# Altium PCB spd150.PcbDoc (part 9 of 15) (continued)
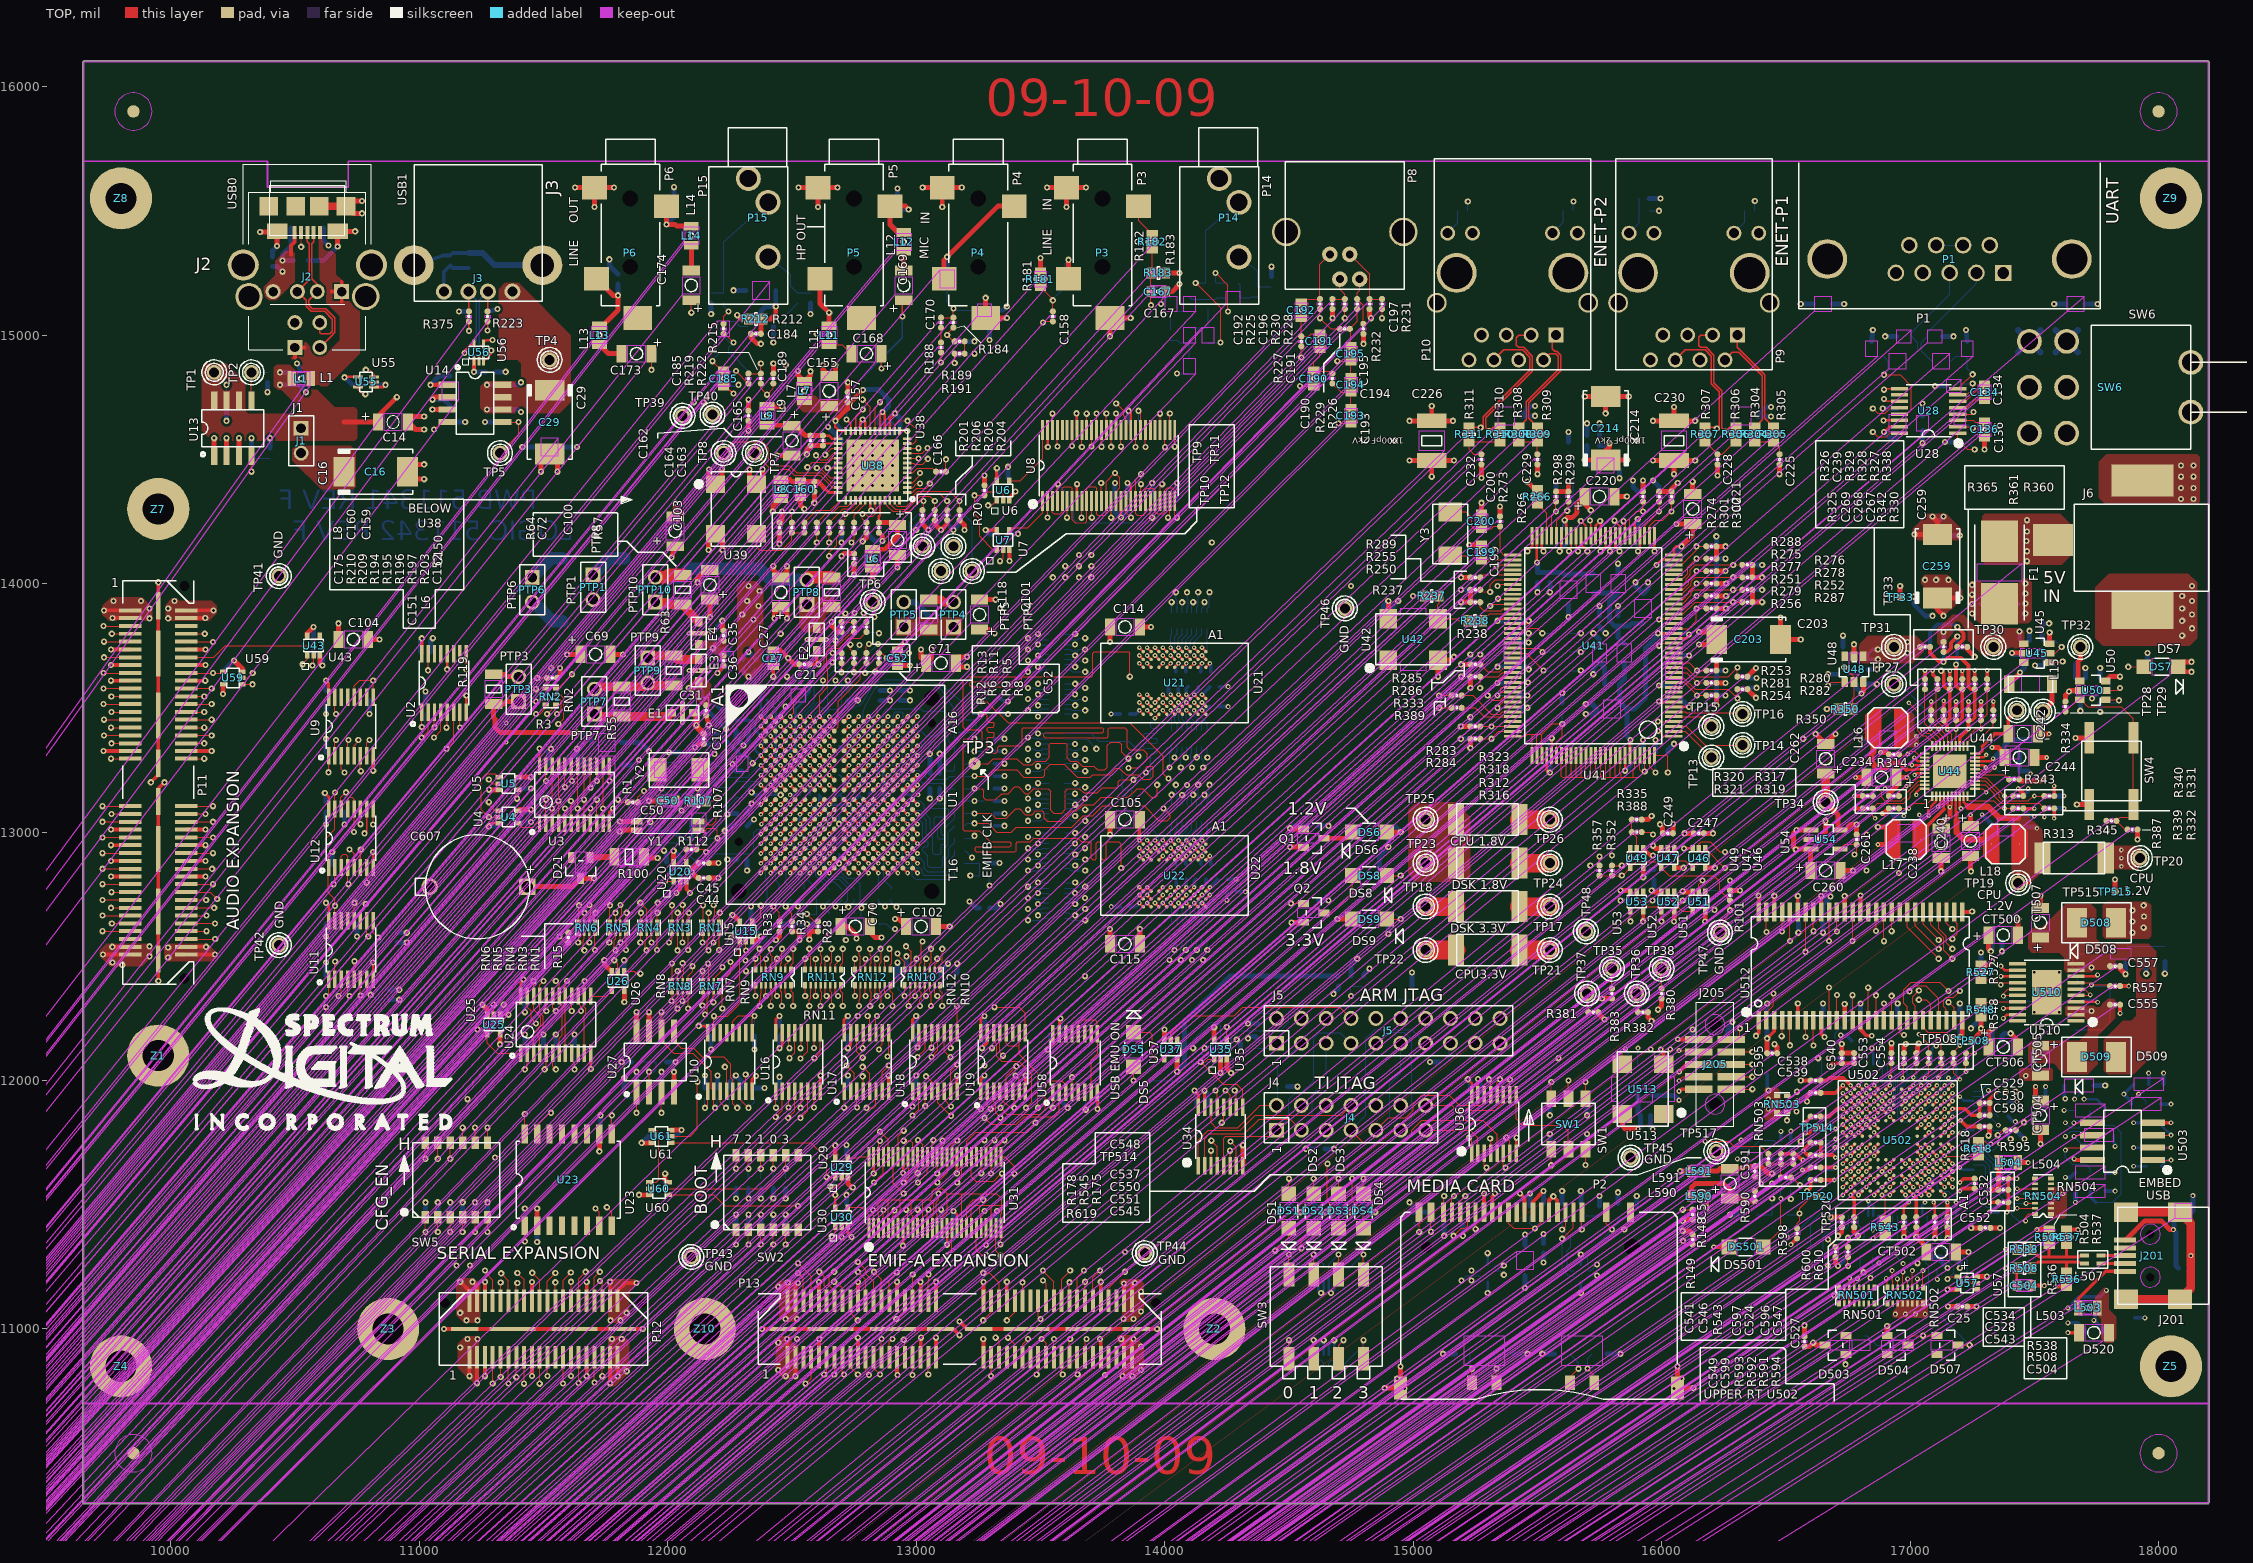
[diagram p0: TOP view]
## Nets (pads, with @x,y where several pads share a name; then routed paths per layer and width w, separated by ;. In a path a pad name is that pad's centre, name@x,y a point inside that pad or via, vN(x,y) a via of type N, cw(c..) or ccw(c..) an arc to the next point about the centre after c; other vN are vias at no path point) (continued)
  LYR4-SIG w5: v1(15195,11195) 15195,10825 15215,10805 15300.3,10805 v1(15335.3,10840)
  BOTTOM w5: v1(15195,11195) 15215,11215 U33.7@15273,11215 ; v1(15335.3,10840) 15345,10849.7 R162.2@15345,10900
MMC_SD_DATA7: P2.13 R163.2 U31.39 U33.6 | length 2892.4
  TOP w5: U31.39@13143.9,11693 13143.9,11737.9 v1(13165,11759) ; P2.13@15236.9,10783.7 v1(15236.9,10840)
  LYR3-SIG w5: v1(13165,11759) 13279,11645 13291.7,11645 13293,11646.3 13309.6,11646.3 13310.9,11645 13880,11645 14155,11370 14812.5,11370 14962.5,11220 15210,11220 v1(15235,11195)
  LYR4-SIG w5: v1(15235,11195) 15235,10841.9 v1(15236.9,10840)
  BOTTOM w5: R163.2@15230,10900 15230,10846.9 v1(15236.9,10840) ; v1(15235,11195) U33.6@15273,11195
MMC_SD_INS: P2.15 R167.1 U31.30 | length 2076.3
  TOP w5: U31.30@13321,11693 13321,11726.4 13335.1,11740.5 13335.5,11740.5 v1(13355,11760) ; v1(15071.6,11391.6) P2.15@15071.6,11470
  LYR3-SIG w5: v1(13355,11760) 13930,11760 14180,11510 14910,11510 14985,11435 15028.2,11435 v1(15071.6,11391.6)
  BOTTOM w5: R167.1@15050,11430 15071.6,11408.4 v1(15071.6,11391.6)
MMC_SD_WP: P2.14 R168.1 U31.32 | length 2071.8
  TOP w5: U31.32@13281.6,11693 13281.6,11726.6 v1(13315,11760) ; v1(15024.3,11390.7) P2.14@15024.3,11470
  LYR3-SIG w5: v1(13315,11760) 13345,11730 13930,11730 14215,11445 14935,11445 14989.3,11390.7 v1(15024.3,11390.7)
  BOTTOM w5: R168.1@15000,11430 15024.3,11405.7 v1(15024.3,11390.7)
N001670: DS8.1 Q2.3 | length 216.6
  TOP w5: Q2.3@14642,12675 14675,12675 14756,12756 DS8.1@14756,12825
N002190: DS6.1 Q1.3 | length 124.4
  TOP w20: Q1.3@14642,12975 14730,12975 14755,13000 DS6.1@14756,13000
N02318: DS501.2 R511.2 | length 260
  TOP w5: DS501.2@16409,11330 16410,11330 16480,11400 v3(16480,11525)
  BOTTOM w5: v3(16480,11525) R511.2@16480,11560
N67490: R511.1 U502.E14 | length 393.4
  TOP w10: v2(16729.4,11665.4) U502.E14@16745.2,11681.2
  LYR3-SIG w4: 16645,11665.4 16693.4,11665.4 16693.5,11665.5 16706.5,11665.5 16706.6,11665.4 v2(16729.4,11665.4)
  LYR3-SIG w5: v1(16520,11523) 16520,11635 16545,11660 16580,11660 16585.4,11665.4 16645,11665.4
  BOTTOM w5: v1(16520,11523) R511.1@16520,11560
N1545623: C535.1 J201.6 J201.7 J201.8 J201.9 R539.1 | length 924.6
  TOP w35: J201.6@17869,11120 J201.8@18086,11120 18130,11164 v3(18130,11295) 18130,11426 J201.9@18086,11470 J201.7@17869,11470
  BOTTOM w15: C535.1@18120,11245 18130,11255 v3(18130,11295) R539.1@18130,11345
N1545643: C535.2 J201.5 L505.1 R539.2 | length 480.5
  TOP w20: J201.5@17865,11358 17868,11358 17945,11435 18011.2,11435 18046.2,11400 v3(18060,11400)
  BOTTOM w20: L505.1@18062,11475 18062,11402 v3(18060,11400) 18070,11390 R539.2@18070,11345 18070,11255 C535.2@18080,11245
N1546520: J201.1 L503.1 | length 270.6
  TOP w15: L503.1@17677,11085 17677,11122 17787,11232 J201.1@17865,11232
N1547545: L507.4 R508.2 R536.1 | length 264.8
  TOP w12: R508.2@17490,11245 17515,11270 17630,11270 ; R536.1@17630,11230 17630,11270 ; L507.4@17702,11264 17686,11264 17680,11270 17630,11270
N1547560: L507.1 R504.2 R537.1 R538.2 | length 326.9
  TOP w12: R538.2@17490,11320 17520,11290 17560,11290 ; R504.2@17560,11340 17560,11290 ; R537.1@17630,11340 17630,11290 ; L507.1@17702,11296 17685,11296 17679,11290 17630,11290 ; 17560,11290 17630,11290
N13791025: C606.1 L592.1 U513.4 | length 258.7
  TOP w20: U513.4@15842,11865 15842,11818 15855,11805 v3(15905,11805)
  BOTTOM w20: v3(15905,11805) 15915,11815 C606.1@15915,11860 15905,11870 L592.1@15905,11940
N15763168: D504.3 D506.1 D507.1 | length 208.1
  TOP w5: D504.3@16992,10935 16992,10963 17002,10973 v1(17052,10973) D507.1@17108,10973
  BOTTOM w5: D506.1@16992,10973 v1(17052,10973)
N15763370: D505.1 D506.3 | length 106.7
  BOTTOM w5: D505.1@16817,10973 16827,10973 16865,10935 D506.3@16908,10935
N15763374: D503.1 D505.3 | length 119.7
  TOP w5: v1(16740,10858) 16742,10860 D503.1@16742,10897
  BOTTOM w5: D505.3@16733,10935 16733,10865 v1(16740,10858)
N16180002: J201.2 L507.3 | length 97
  TOP w12: L507.3@17768,11264 17793.5,11263.5 J201.2@17865,11263.5
N16180056: J201.3 L507.2 | length 97.4
  TOP w12: L507.2@17768,11296 17769,11295 J201.3@17865,11295
N16216944: TP507.1 U502.F5 | length 616.7
  TOP w10: U502.F5@17028.8,11712.7 v2(17044.5,11696.9)
  LYR4-SIG w4: v2(17044.5,11696.9) 17060.5,11680.9 17084.1,11680.9 17092,11673 17092,11598 17123,11567 17123,11530 17130,11523 17130,11455
  LYR4-SIG w5: v3(17110,11200) 17110,11305 17130,11325 17130,11455
  BOTTOM w5: v3(17110,11200) TP507.1@17110,11240
N16299235: C555.1 CT505.1 D509.1 R551.1 U510.2 U510.3 | length 40
  BOTTOM w15: R551.1@17690,12280 v1(17730,12280)
N16299239: R551.2 U510.4 U510.15 U510.16 | length 611.5
  TOP w5: U510.16@17432.4,12342.2 17377.2,12342.2 v3(17375,12340) 17375,12350 17392.8,12367.8 U510.15@17432.4,12367.8
  TOP w10: U510.4@17667.6,12316.6 17753.4,12316.6 v3(17755,12315)
  BOTTOM w5: v3(17375,12340) 17395,12320 R551.2@17690,12320
  BOTTOM w15: R551.2@17690,12320 17750,12320 v3(17755,12315)
N16299247: Q501.D R553.2 U510.5 U510.6 | length 435.7
  TOP w5: U510.5@17667.6,12342.2 17722.2,12342.2 v3(17725,12345) 17702.2,12367.8 U510.6@17667.6,12367.8
  BOTTOM w5: v3(17725,12345) 17675,12395 R553.2@17675,12415 17655,12435 17655,12490 17675,12510 Q501.D@17783,12510
N16299267: C557.1 CT507.1 D508.1 D509.2 R553.1 U510.9 U510.10 | length 55
  BOTTOM w5: R553.1@17675,12455 v1(17730,12455)
N16299431: Q501.G R554.2 R555.1 | length 161.3
  BOTTOM w5: Q501.G@17867,12548 17875,12540 R555.1@17950,12540 R554.2@18025,12540
N16300215: R548.2 R549.1 U510.17 | length 208
  TOP w5: R548.2@17285,12315 17335,12315 v3(17340,12320) 17343.4,12316.6 U510.17@17432.4,12316.6
  BOTTOM w5: R549.1@17285,12315 17335,12315 v3(17340,12320)
N16300219: R527.2 R528.1 U510.14 | length 247.4
  TOP w5: R527.2@17285,12405 17345,12405 v4(17365,12385) 17373.4,12393.4 U510.14@17432.4,12393.4
  BOTTOM w5: R528.1@17285,12405 17345,12405 v4(17365,12385)
N16404386: C591.1 R590.2 U502.G11 | length 644.4
  TOP w5: R590.2@16375,11555 16400,11580 v1(16400,11585) 16400,11590 C591.1@16375,11615
  TOP w10: v2(16823.9,11728.4) U502.G11@16839.7,11744.2
  LYR3-SIG w4: 16645,11749 16803.3,11749 v2(16823.9,11728.4)
  LYR3-SIG w5: v1(16400,11585) 16400,11655 16465,11720 16540.5,11720 16555,11734.5 16575.5,11734.5 16590,11749 16645,11749
N16404807: C590.2 C591.2 L591.2 U502.G12 | length 308.1
  TOP w10: v2(16792.4,11728.4) U502.G12@16808.2,11744.2
  TOP w20: L591.2@16180,11635 16225,11635 16235,11645 C590.2@16275,11645 16325,11645 16335,11655 C591.2@16375,11655 16400,11655 16430,11625 v1(16445,11625)
N16404885: C590.1 L590.1 R590.1 | length 345.7
  TOP w20: L590.1@16120,11535 16120,11570 16135,11585 16250,11585 16275,11560 C590.1@16275,11525 16325,11525 16335,11515 R590.1@16375,11515
N16493043: C518.1 R525.2 | length 65
  BOTTOM w5: C518.1@16405,11685 R525.2@16470,11685
N16547953: R617.2 U513.3 | length 133.5
  TOP w5: U513.3@15842,12065 15842,12113.4 v3(15855.6,12127)
  BOTTOM w5: v3(15855.6,12127) 15865,12117.6 R617.2@15865,12065
N16604397: R595.1 U502.J1 | length 262.8
  TOP w5: v1(17353,11780) 17373,11800 R595.1@17385,11800
  TOP w10: U502.J1@17154.8,11807.3 v2(17170.5,11823)
  LYR7-SIG w4: v2(17170.5,11823) 17255,11823
  LYR7-SIG w5: 17255,11823 17310,11823 v1(17353,11780)
N16611630: R591.2 U502.L2 | length 258.2
  TOP w4: R591.2@17175,12070 17175,12030 v2(17200,12005)
  TOP w10: U502.L2@17123.3,11870.3 v2(17139,11886)
  LYR8-SIG w4: v2(17139,11886) 17155,11902 17155,11988 17172,12005 v2(17200,12005)
N16612045: R592.2 U502.L3 | length 226.7
  TOP w4: v2(17114,12011) 17114,12014 17125,12025 R592.2@17125,12070
  TOP w10: U502.L3@17091.8,11870.3 v2(17107.5,11886)
  LYR8-SIG w4: v2(17107.5,11886) 17091.5,11902 17091.5,11988.5 v2(17114,12011)
N16612462: R593.2 U502.K3 | length 264
  TOP w4: v2(17059.5,12009.5) 17075,12025 R593.2@17075,12070
  TOP w10: U502.K3@17091.8,11838.8 v2(17107.5,11854.5)
  LYR8-SIG w4: v2(17059.5,12009.5) 17060,12009 17060,11905 17107.5,11857.5 v2(17107.5,11854.5)
N16612881: R594.2 U502.M1 | length 197.3
  TOP w4: v2(17225,12035) R594.2@17225,12070
  TOP w10: U502.M1@17154.8,11901.8 v2(17170.5,11917.5)
  LYR8-SIG w4: v2(17170.5,11917.5) 17170.5,11927 17186,11942.5 17186,11966 17225,12005 v2(17225,12035)
N16777956: C131.1 L4.1 U28.8 | length 240.6
  TOP w5: U28.8@17192.6,14784.6 17228,14820 17230,14820 v1(17252,14842)
  BOTTOM w5: L4.1@17163,14895 17183,14915 C131.1@17230,14915 17230,14864 v1(17252,14842)
N16777958: C132.1 L4.2 P1.2 | length 464.4
  BOTTOM w5: L4.2@17087,14895 17045,14937 17045,14970 C132.1@17070,14995 17070,15010 17267,15207 P1.2@17267,15250
N16777981: C133.1 U28.2 | length 120.1
  TOP w5: U28.2@17192.6,14631 17246,14631 v1(17252,14625)
  BOTTOM w5: C133.1@17200,14640 17237,14640 v1(17252,14625)
N16777985: C133.2 U28.4 | length 124.8
  TOP w5: U28.4@17192.6,14682.2 17247.2,14682.2 v1(17255,14690)
  BOTTOM w5: C133.2@17200,14700 17245,14700 v1(17255,14690)
N16777987: C134.2 U28.6 | length 135
  TOP w5: U28.6@17192.6,14733.4 17223.4,14733.4 17290,14800 C134.2@17300,14800
N16777995: C130.1 L3.2 P1.3 | length 446.5
  BOTTOM w5: L3.2@16988,14895 17030,14937 17030,14970 C130.1@17005,14995 17005,15010 17159,15164 P1.3@17159,15250
N16778000: C135.1 U28.7 | length 143.1
  TOP w5: U28.7@17192.6,14759 17229,14759 17252,14782 v1(17252,14805)
  BOTTOM w5: C135.1@17205,14795 17215,14805 v1(17252,14805)
N16778004: C136.1 U28.3 | length 110.1
  TOP w5: U28.3@17192.6,14656.6 17255,14656.6 17261.6,14650 C136.1@17300,14650
N16778012: P1.7 P1.8 | length 108
  BOTTOM w5: P1.8@17105,15362 P1.7@17213,15362
N16778026: C134.1 U28.5 | length 120.7
  TOP w5: U28.5@17192.6,14707.8 17227.8,14707.8 17260,14740 C134.1@17300,14740
N16778040: C129.1 L3.1 U28.13 | length 415.9
  TOP w5: v1(16895,14840) 16960,14840 17005,14795 17005,14700 16987.2,14682.2 U28.13@16957.4,14682.2
  BOTTOM w5: C129.1@16845,14915 16892,14915 L3.1@16912,14895 16912,14857 v1(16895,14840)
N16778044: R148.2 U28.16 | length 3608.9
  TOP w5: v1(16085,11480) R148.2@16125,11480 ; v1(16850,14610) 16870,14590 16905,14590 16920.4,14605.4 U28.16@16957.4,14605.4
  LYR4-SIG w5: v1(16085,11480) 16280,11675 16280,11755 16335,11810 16335,13130 16445,13240 16445,14205 v1(16850,14610)
N16778046: R149.2 U28.12 | length 3915.3
  TOP w5: v1(16086,11355) 16101,11340 R149.2@16125,11340 ; v1(16850,14705) 16870,14685 16900,14685 16922.8,14707.8 U28.12@16957.4,14707.8
  LYR4-SIG w5: v1(16086,11355) 16340.5,11609.5 16340.5,11735.5 16400,11795 16400,12485 16515,12600 16515,14095 16920,14500 16920,14670 16905,14685 16870,14685 v1(16850,14705)
N16778064: R150.2 U28.1 | length 163.3
  TOP w5: U28.1@17192.6,14605.4 17192.6,14577.4 17230,14540 v1(17260,14540)
  BOTTOM w5: R150.2@17220,14570 17230,14570 v1(17260,14540)
N16850944: C188.1 P15.2 R221.2 | length 252.9
  BOTTOM w5: P15.2@12404,15314 12495,15243 12495,15196.5 12521.5,15170 R221.2@12525,15170 C188.1@12575,15170
N16851099: C178.2 P14.5 R211.2 | length 757.4
  TOP w5: v1(14125,15210) 14225,15110 v1(14225,14970)
  BOTTOM w5: v1(14125,15210) R211.2@14165,15210 14165,15420 P14.5@14299,15534 ; C178.2@14175,14970 v1(14225,14970)
N16851113: P14.2 R216.2 R390.1 | length 212.4
  BOTTOM w5: P14.2@14299,15314 14375,15258 R216.2@14375,15195 R390.1@14430,15195
N16874132: C29.1 C30.1 J3.1 R60.1 TP4.1 U14.6 U14.7 U14.8 | length 114
  BOTTOM w20: v1(11273,14700) R60.1@11330,14700 ; v1(11273,14800) C30.1@11330,14800
N16933246: R120.2 R223.1 U1.B3 | length 2398.3
  TOP w6: v1(11275,15018) R223.1@11275,15055
  TOP w10: v2(12453.7,13425.8) U1.B3@12473.4,13406.1
  LYR8-SIG w6: v1(11275,15018) 11257,15018 11245,15030 11245,15055.8 11254.2,15065 11330,15065 11449.3,14945.7 11449.3,14613.2 12122.5,13940 12173.5,13940 12445.5,13668 12445.5,13554 12430.6,13539.1 12430.6,13472.3 12430.8,13472.1 12430.8,13448.7 v2(12453.7,13425.8)
  BOTTOM w6: v1(11275,15018) R120.2@11275,15055
N16933323: R375.1 R393.1 U1.A3 | length 2400.3
  TOP w6: v1(11200,15017) R375.1@11200,15055
  TOP w10: v2(12453.7,13465.2) U1.A3@12473.4,13445.5
  LYR8-SIG w6: v1(11200,15017) 11222,15017 11233,15028 11233,15060.8 11249.2,15077 11335,15077 11461.3,14950.7 11461.3,14618.2 12127.5,13952 12178.5,13952 12457.5,13673 12457.5,13549 12442.6,13534.1 12442.6,13477.3 12442.8,13477.1 12442.8,13476.1 v2(12453.7,13465.2)
  BOTTOM w6: v1(11200,15017) R393.1@11200,15055
N16979638: R99.2 U1.K15 | length 641.7
  TOP w10: U1.K15@12946.2,13090.9 v2(12965.9,13071.2)
  BOTTOM w4: v2(12965.9,13071.2) 12981.2,13071.2 12996.7,13086.7 13018.3,13086.7 13025,13080 13025,13063
  BOTTOM w5: 13025,13063 13041,13047 13041,12991 13046,12986 13062,12986 13067,12981 13067,12916 13072,12911 13096,12911 13101,12916 13101,12945 13106,12950 13111,12950 13116,12955 13116,12968.5 13111.6,12972.9 13091,12972.9 13086,12977.9 13086,13027.6 13090.4,13032 13096.6,13032 13101,13027.6 13101,12992.3 13105.4,12987.9 13111.6,12987.9 13116,12992.3 13116,13017 13155,13056 R99.2@13155,13075
N16979924: R97.2 U1.B13 | length 645.5
  TOP w10: U1.B13@12867.4,13406.1 v2(12887.1,13425.8)
  BOTTOM w4: 12870,13485 12867,13482 12867,13462 12887.1,13441.9 v2(12887.1,13425.8)
  BOTTOM w5: 12870,13485 12882,13497 13018.1,13497 13029,13486.1 13112.9,13486.1 13147,13452 13236,13452 13241,13447 13241,13406 13236,13401 13160,13401 13155,13396 R97.2@13155,13375
N16979987: R98.2 U1.A12 | length 645.8
  TOP w10: U1.A12@12828,13445.5 v2(12847.7,13465.2)
  BOTTOM w4: 12787,13485 12787,13456 12796,13447 12813,13447 12831.2,13465.2 v2(12847.7,13465.2)
  BOTTOM w5: 12787,13485 12795.2,13505.2 12833,13577 12845.7,13589.7 12852.6,13592.2 12881.9,13599 12974.9,13599 13066.1,13589.3 13085.8,13584.3 13102.1,13570.3 13162,13479.7 R98.2@13185,13475
N16979989: R95.2 U1.K14 | length 648.2
  TOP w10: U1.K14@12906.8,13090.9 v2(12926.5,13071.2)
  BOTTOM w4: v2(12926.5,13071.2) 12945.1,13089.8 12969.8,13089.8 12985,13105 12985,13115 12996.1,13126.1 13013.9,13126.1
  BOTTOM w5: 13013.9,13126.1 13032.5,13107.5 13032.5,13093.5 13043,13083 13043,13068 13057,13054 13057,13015.7 13061.7,13011 13068.3,13011 13073,13015.7 13073,13056 13078,13061 13126,13061 13131,13066 13131,13090.1 13126,13095.1 13065.4,13095.1 13061,13099.5 13061,13109 13066,13114 13116,13114 13121,13119 13121,13144 13126,13149 13150,13149 13155,13144 R95.2@13155,13125
N16979991: R96.2 U1.C15 | length 644.3
  TOP w10: U1.C15@12946.2,13366.7 v2(12965.9,13386.4)
  BOTTOM w4: v2(12965.9,13386.4) 12965.9,13401 12960.9,13406 12912,13406 12907,13411 12907,13475 12916,13484 12942,13484 12948,13478 12948,13455 12955,13448 12979,13448 12985.7,13441.3 12985.7,13417.5 12995.2,13408 13017.9,13408 13025,13400.9
  BOTTOM w5: 13025,13400.9 13037.6,13388.3 13085.4,13388.3 13134.1,13437 13150.1,13437 13155.1,13432 13155.1,13420 13150.1,13415 13140,13415 13130,13405 13130,13365 13155,13340 R96.2@13155,13325
N16980201: R92.2 U1.D9 | length 646.1
  TOP w10: U1.D9@12709.8,13327.3 v2(12729.5,13347)
  BOTTOM w4: v2(12729.5,13347) 12729.5,13364.4 12745,13379.9 12745,13380 12750,13385 12750,13390 12765,13405 12814,13405 12829,13390 12829,13379.6 12843.6,13365 12895,13365 12905,13355 12905,13267.4 12928.1,13244.3 12933,13244.3 12942,13235.3 12942,13230.4 12963.4,13209 13014.5,13209 13025,13198.5
  BOTTOM w5: 13025,13198.5 13027.4,13196.1 13107.2,13196.1 13128.3,13175 R92.2@13155,13175
N16980252: R93.2 U1.L13 | length 640.3
  TOP w10: U1.L13@12867.4,13051.5 v2(12887.1,13031.8)
  BOTTOM w4: v2(12887.1,13031.8) 12905.3,13050 13012,13050 13025,13037
  BOTTOM w5: 13025,13037 13026,13036 13026,12968 13031,12963 13044,12963 13049,12958 13049,12946 13044,12941 13031,12941 13026,12936 13026,12925 13047,12904 13047,12865 13054,12858 13101,12858 13107,12864 13107,12897 13116,12906 13116,12936.6 13129,12949.6 13129,12999 R93.2@13155,13025
N16980254: R94.2 U1.A8 | length 646.2
  TOP w10: v2(12650.7,13465.2) U1.A8@12670.4,13445.5
  BOTTOM w5: v2(12650.7,13465.2) 12705.2,13485 12773.5,13509.5 12785.5,13521.5 12809.4,13563.5 12823.8,13587.4 12837.2,13600.5 12873.1,13613.6 12981.1,13613.6 13068.4,13602.2 13091,13596.7 13118.1,13578.3 R94.2@13185,13525
N16980266: R90.2 U1.C13 | length 645.6
  TOP w10: U1.C13@12867.4,13366.7 v2(12887.1,13386.4)
  BOTTOM w4: v2(12887.1,13386.4) 12872.6,13386.4 12854,13405 12833.1,13405 12827,13411.1 12827,13441.8 12832.2,13447 12862.1,13447 12866,13443.1 12866,13417 12874,13409 12892,13409 12908,13393 12908,13372 12912.7,13367.3 12932.7,13367.3 12946.2,13353.8 12946.2,13257.6 12955.7,13248.1 13011.1,13248.1 13025,13234.2
  BOTTOM w5: 13025,13234.2 13047.1,13212.1 13122.2,13212.1 13135.1,13225 R90.2@13155,13225
N16980268: R91.2 U1.C14 | length 645.1
  TOP w10: U1.C14@12906.8,13366.7 v2(12926.5,13386.4)
  BOTTOM w4: v2(12926.5,13386.4) 12939.6,13386.4 12956,13370 12970.2,13370 12984.6,13355.6 12984.6,13297 12993,13288.6 13020,13288.6
  BOTTOM w5: 13020,13288.6 13022.1,13290.7 13022.1,13362.8 13026.7,13367.4 13033.2,13367.4 13037.8,13362.8 13037.8,13342.9 13042.8,13337.9 13048.5,13337.9 13053.5,13342.9 13053.5,13359.8 13058.5,13364.8 13072.1,13364.8 13077.1,13359.8 13077.1,13342.9 13082.1,13337.9 13088.4,13337.9 13093.8,13343.3 13093.8,13359.5 13099.1,13364.8 13112.6,13364.8 13117.6,13359.8 13117.6,13349.6 13127.5,13339.7 13127.5,13331.8 13117.6,13321.9 13117.6,13298 13127.1,13288.5 13127.1,13272.6 13117.6,13263.1 13117.6,13252.3 13122.6,13247.3 13150,13247.3 13155,13252.3 R91.2@13155,13275
N16995487: C44.1 C45.1 C607.1 D21.3 U1.G1 | length 1561.3
  TOP w10: v2(12374.9,13228.8) U1.G1@12394.6,13209.1
  TOP w20: C607.1@11435,12780 11617,12780 D21.3@11650,12813 v1(11703,12813) ; C44.1@12125,12815 12120,12815 v1(12095,12840) 12095,12845 C45.1@12125,12875
  LYR4-SIG w20: v1(12095,12840) 12095,12940 12015,13020 12015,13125 12118.8,13228.8 v2(12374.9,13228.8)
  LYR8-SIG w20: v1(11703,12813) 11751,12765 12000,12765 12075,12840 v1(12095,12840)
N17006114: D21.1 R100.2 | length 98.2
  TOP w25: D21.1@11688,12897 11727,12897 11730,12900 R100.2@11785,12900
N17058094: L24.2 PTP3.1 R119.2 | length 621.3
  TOP w20: PTP3.1@11400,13525 11350,13525 11340,13515 R119.2@11300,13515 11300,13460 11306,13454 11306,13420 11326,13400 v1(11635,13400)
  BOTTOM w20: v1(11635,13400) 11665,13400 11695,13370 L24.2@11695,13360
N17058140: C52.1 C53.1 C54.1 C55.1 PTP4.1 PTP5.1 R117.2 R118.1 U1.H6 U1.H12 | length 638.3
  TOP w10: v2(12571.9,13189.4) U1.H6@12591.6,13169.7 ; U1.H12@12828,13169.7 v2(12847.7,13189.4)
  TOP w20: C52.1@12925,13670 v1(12975,13670)
  LYR4-SIG w25: 12910,13825 PTP5.1@12950,13825 ; 12950,13865 PTP5.1@12950,13825 ; 12990,13825 PTP5.1@12950,13825 ; 13110,13825 PTP4.1@13150,13825 ; 13150,13785 PTP4.1@13150,13825 ; 13150,13865 PTP4.1@13150,13825 ; 13190,13825 PTP4.1@13150,13825
  BOTTOM w10: v2(12571.9,13189.4) 12572,13189.3 C53.1@12572,13150 ; C54.1@12810,13150 12810,13155 12844.4,13189.4 v2(12847.7,13189.4)
  BOTTOM w20: C55.1@12925,13680 12965,13680 v1(12975,13670)
  BOTTOM w25: PTP5.1@12950,13825 12955,13830 R117.2@13050,13830
N17115833: R376.2 SW5.1 | length 100
  TOP w5: v1(11025,11390) SW5.1@11025,11450
  BOTTOM w5: v1(11025,11390) R376.2@11025,11430
N17115853: R377.2 SW5.2 | length 100
  TOP w5: v1(11075,11390) SW5.2@11075,11450
  BOTTOM w5: v1(11075,11390) R377.2@11075,11430
N17115873: R378.2 SW5.3 | length 100
  TOP w5: v1(11125,11390) SW5.3@11125,11450
  BOTTOM w5: v1(11125,11390) R378.2@11125,11430
N17115893: R379.2 SW5.4 | length 100
  TOP w5: v1(11175,11390) SW5.4@11175,11450
  BOTTOM w5: v1(11175,11390) R379.2@11175,11430
N17156427: J2.1A J2.1AB J2.1B L1.1 | length 200
  TOP w15: 10500,14910 J2.1B@10500,14950 10540,14950 ; 10648,15175 J2.1A@10688,15175 ; 10688,15135 J2.1A@10688,15175 ; 10688,15215 J2.1A@10688,15175
N17156502: J2.4AB R58.1 R59.2 U1.D2 | length 3177.6
  TOP w5: J2.4AB@10524.5,15412.5 10524.5,15355.5 v1(10525,15355)
  TOP w10: v2(12414.3,13347) U1.D2@12434,13327.3
  LYR8-SIG w4: 12365,13365 12396.3,13365 v2(12414.3,13347)
  LYR8-SIG w5: v1(10525,15355) 10640,15240 10640,15140 10945,14835 10945,14655 11605,13995 11605,13955 11685,13875 11955,13875 12145,13685 12145,13640 12205,13580 12205,13525 12365,13365
  BOTTOM w5: v1(10525,15355) R58.1@10525,15430 R59.2@10575,15430
N17165886: R603.1 U57.4 U511.54 | length 331
  TOP w5: v1(17150,11201) 17159.6,11210.6 U57.4@17191,11210.6
  BOTTOM w5: U511.54@17127.3,11455 17127.3,11387.3 17125,11385 R603.1@17125,11330 17145,11310 17145,11280 17175,11250 17175,11226 v1(17150,11201)
N17166085: R602.1 U57.2 U511.52 | length 326.4
  TOP w5: v1(17230,11200) 17245,11185 U57.2@17269,11185
  BOTTOM w5: U511.52@17166.7,11455 17166.7,11388.3 17175,11380 R602.1@17175,11330 17230,11275 v1(17230,11200)
N17193780: C14.1 C15.1 J1.1 L1.2 R52.1 TP1.1 U1.D3 U13.6 U13.7 U13.8 | length 2888.3
  TOP w10: v2(12453.7,13347) U1.D3@12473.4,13327.3
  TOP w20: 10697,14650 C14.1@10835,14650 10835,14675 v1(10910,14750)
  LYR8-SIG w10: 12335,13320 12335,13327 12422,13327 12442,13347 v2(12453.7,13347) 12453.7,13334.7 12435,13316 12435,13300 12422,13287 12368,13287 12335,13320
  LYR8-SIG w20: v1(10910,14750) 10910,14645 11575,13980 11575,13945 11670,13850 11945,13850 12060,13735 12060,13635 12075,13620 12125,13620 12185,13560 12185,13510 12335,13360 12335,13327
  BOTTOM w20: v1(10440,14800) R52.1@10480,14800 ; v1(10440,14850) C15.1@10480,14850
N17193794: R54.2 R56.1 U1.E4 U13.4 | length 3349.3
  TOP w5: v1(10325,14450) U13.4@10325,14515
  TOP w10: v2(12493.1,13307.6) U1.E4@12512.8,13287.9
  LYR8-SIG w4: v2(12493.1,13307.6) 12507.4,13307.6 12525,13290 12540,13290 12550,13280 12550,13180
  LYR8-SIG w5: v1(10325,14450) 10547,14228 10794.6,14228 11282.6,13740 11630,13740 11910,13460 11910,13380 12011.5,13278.5 12011.5,13210.9 12123.9,13098.5 12266.2,13098.5 12275.5,13089.2 12536.6,13089.2 12550,13102.6 12550,13180
  BOTTOM w5: v1(10325,14450) R56.1@10325,14505 R54.2@10400,14505
N17206478: R383.1 TP35.1 U502.D14 | length 1614.7
  TOP w5: R383.1@15800,12370 TP35.1@15800,12450
  TOP w10: v2(16729.4,11633.9) U502.D14@16745.2,11649.7
  LYR8-SIG w4: 16645,11633.9 v2(16729.4,11633.9)
  LYR8-SIG w5: TP35.1@15800,12450 15795,12445 15795,12075 16236.1,11633.9 16425.6,11633.9 16436.7,11645 16453.3,11645 16464.4,11633.9 16549,11633.9 16559.8,11623.1 16620,11623.1 16630.8,11633.9 16645,11633.9
N17206490: R382.1 TP36.1 U502.D13 | length 1489.5
  TOP w5: TP36.1@15900,12350 15905,12345 R382.1@15905,12275
  TOP w10: v2(16760.9,11633.9) U502.D13@16776.7,11649.7
  LYR8-SIG w4: 16645,11680.9 16651.4,11674.5 16705.5,11674.5 16711.9,11680.9 16735.9,11680.9 16744.9,11671.9 16744.9,11650.1 16760.9,11634.1 v2(16760.9,11633.9)
  LYR8-SIG w5: TP36.1@15900,12350 15925,12325 15925,11980.2 16167.7,11737.5 16182.3,11737.5 16197.3,11752.5 16292.5,11752.5 16345,11700 16573.1,11700 16592.2,11680.9 16645,11680.9
N17206503: R381.1 TP37.1 U502.D12 | length 1725.5
  TOP w5: TP37.1@15700,12350 15700,12305 15705,12300 R381.1@15705,12275
  TOP w10: v2(16792.4,11633.9) U502.D12@16808.2,11649.7
  LYR8-SIG w4: 16645,11589.7 16650.2,11584.5 16701.5,11584.5 16703.9,11586.9 16767.4,11586.9 16776.4,11595.9 16776.4,11617.9 v2(16792.4,11633.9)
  LYR8-SIG w5: TP37.1@15700,12350 15685,12335 15685,12095 15765,12015 15805,12015 16230.3,11589.7 16376.4,11589.7 16391.7,11605 16559.7,11605 16575,11589.7 16645,11589.7
N17206516: R380.1 TP38.1 U502.E11 | length 1516
  TOP w5: R380.1@16000,12370 TP38.1@16000,12450
  TOP w10: v2(16823.9,11665.4) U502.E11@16839.7,11681.2
  LYR8-SIG w4: 16645,11715 16647.1,11712.9 16798.4,11712.9 16807.9,11703.4 16807.9,11682.1 16823.9,11666.1 v2(16823.9,11665.4)
  LYR8-SIG w5: TP38.1@16000,12450 16030,12420 16030,12248 16140,12138 16140,11905 16200,11845 16200,11820 16242.5,11777.5 16417.3,11777.5 16459.8,11735 16590,11735 16610,11715 16645,11715
N17212921: C153.1 C154.1 C155.1 C156.1 C157.1 L7.1 U38.16 U38.17 U38.24 | length 737.1
  TOP w10: v1(12675,14655) 12675,14629.9 12691.2,14614 U38.24@12716.8,14614 ; U38.17@12854.5,14614 12854.5,14679.5 v1(12865,14690) 12874.2,14680.8 U38.16@12874.2,14614
  TOP w20: v1(12675,14655) 12725,14705 C157.1@12725,14730 12736.1,14730 v1(12785.5,14779.4)
  BOTTOM w15: v1(12675,14655) 12675,14646.2 12700,14621.2 C153.1@12700,14620
  BOTTOM w20: v1(12785.5,14779.4) 12786.1,14780 12850,14780 12888.4,14741.6 12888.4,14713.4 v1(12865,14690) 12850,14675 C156.1@12850,14645 C154.1@12900,14645
N17225839: R15.1 U1.B5 | length 1586.2
  TOP w5: v1(11565,12580) 11590,12555 R15.1@11600,12555
  TOP w10: v2(12532.5,13425.8) U1.B5@12552.2,13406.1
  LYR3-SIG w4: 12350,13235 12355,13235 12364.7,13244.7 12504.7,13244.7 12515,13255 12515,13355 12525,13365 12535,13365 12550,13380 12550,13408.3 v2(12532.5,13425.8)
  LYR3-SIG w5: v1(11565,12580) 11565,12725 12060,13220 12275,13220 12290,13235 12350,13235
N17240773: R330.1 U44.21 | length 168.8
  TOP w5: U44.21@17230.8,13346 17230.8,13360.8 17241,13371 17278,13371 17335,13428 R330.1@17335,13450
N17240793: R320.2 R322.2 U44.38 | length 341.1
  TOP w5: R320.2@16850,13145 16850,13160 16865,13175 v2(16868,13175) 16870,13175 16885,13160 16885,13139 16899,13125 16965,13125 16985,13145 16985,13155.6 17035,13205.6 U44.38@17059,13205.6
  BOTTOM w5: R322.2@16860,13140 16860,13167 v2(16868,13175)
N17240813: R326.2 TP27.1 U44.28 | length 509.2
  TOP w5: R326.2@17060,13575 17060,13436 v2(17081,13415) 17120.6,13375.4 U44.28@17120.6,13346
  BOTTOM w5: TP27.1@16935,13595 16960,13595 17081,13474 v2(17081,13415)
N17240835: L17.2 U44.4 | length 212.9
  TOP w10: 17136.4,13091.4 U44.4@17136.4,13144
  TOP w15: 17061,13016 17136.4,13091.4
  TOP w25: L17.2@17042.5,12970 17042.5,12997.5 17061,13016
N17240841: R339.2 R341.1 U44.10 | length 245.8
  TOP w5: U44.10@17230.8,13144 17230.8,13133.2 17238,13126 17336,13126 17367,13095 v2(17380,13095) R339.2@17415,13095
  BOTTOM w5: v2(17380,13095) R341.1@17415,13095
N17240851: R340.2 R344.1 U44.14 | length 220.6
  TOP w5: U44.14@17261,13221.4 17282.8,13221.4 17286.6,13217.6 17307.4,13217.6 v2(17380,13145) R340.2@17415,13145
  BOTTOM w5: v2(17380,13145) R344.1@17415,13145
N17240857: R338.2 R342.1 U44.22 | length 280
  TOP w5: U44.22@17215.1,13346 17215.1,13365.1 17265,13415 v2(17285,13415) R342.1@17285,13450 17310,13475 R338.2@17310,13575
N17240887: R319.2 R324.1 U44.1 | length 200.4
  TOP w5: R319.2@16955,13095 v2(16995,13095) 17015,13115 17070.2,13115 17089.2,13134 U44.1@17089.2,13144
  BOTTOM w5: R324.1@16955,13095 v2(16995,13095)
N17240913: R345.2 U44.11 | length 678
  TOP w5: U44.11@17261,13174.2 17291.8,13174.2 v2(17306,13160) ; v1(17790,13007) R345.2@17790,13045
  LYR3-SIG w5: v2(17306,13160) 17346,13120 17620,13120 17640,13140 17700,13140 17745,13095 17745,13052 v1(17790,13007)
N17240949: R314.2 R315.1 U44.32 | length 166
  TOP w5: R314.2@16955,13312 16987.2,13312 v2(16990.2,13315) 17000.2,13325 17017.8,13325 17042.7,13300.1 U44.32@17059,13300.1
  BOTTOM w5: R315.1@16955,13295 16975,13295 16990.2,13310.2 v2(16990.2,13315)
N17240989: R321.2 R322.1 U44.39 | length 347.1
  TOP w5: v2(16859.5,13055) 16850,13064.5 R321.2@16850,13095 16870,13115 16975,13115 17000,13140 17000,13156.4 17033.5,13189.9 U44.39@17059,13189.9
  BOTTOM w5: v2(16859.5,13055) 16859.5,13067.9 16860,13068.4 R322.1@16860,13100
N17241029: L16.1 U44.35 | length 382.3
  TOP w9: 16986,13251 17023.1,13251 17025,13252.9 U44.35@17059,13252.9
  TOP w20: 16961,13276 16986,13251
  TOP w25: L16.1@16852.5,13420 16852.5,13322.5 16845,13315 16845,13280 16864,13261 16901,13261 16916,13276 16961,13276
N17241051: C235.1 R317.2 U44.37 | length 201.3
  TOP w5: R317.2@16955,13145 16955,13160 16980,13185 v2(16986.5,13185) 16997.4,13185 17033.8,13221.4 U44.37@17059,13221.4
  BOTTOM w5: C235.1@16955,13145 16955,13160 16980,13185 v2(16986.5,13185)
N17241071: C239.1 U44.26 | length 250.6
  TOP w5: C239.1@17110,13575 17105,13570 17105,13450 17132,13423 17132,13403 17152.1,13382.9 U44.26@17152.1,13346
N17241105: R332.2 R337.1 U44.12 | length 395.3
  TOP w5: U44.12@17261,13189.9 17303.1,13189.9 17338,13155 17338,13143 17366,13115 17520,13115 R332.2@17540,13095 v2(17540,13060)
  BOTTOM w5: v2(17540,13060) R337.1@17540,13095
N17242097: R331.2 R336.1 U44.13 | length 367.1
  TOP w5: U44.13@17261,13205.6 17303.4,13205.6 17359,13150 17359,13139 17373,13125 17475,13125 17495,13145 v2(17500,13145) R331.2@17540,13145
  BOTTOM w5: v2(17500,13145) R336.1@17540,13145

## Text inside footprints (layer, text, board x,y; h text height)
R22: PIN_NUMBER "2" at 13847,14650 h20; PIN_NUMBER "1" at 13887,14650 h20; ASSEMBLY_BOTTOM "USERPART#" at 13875,14500 h25; ASSEMBLY_BOTTOM "TOLERANCE" at 13875,14550 h25; ASSEMBLY_BOTTOM "1K" at 13875,14650 h25; SYMBOL_PART_DIM "0" at 13967,14637 h25; SYMBOL_PART_DIM "0" at 13883,14566 h25; SYMBOL_PART_DIM "C402-35X32" at 13998,14512 h25; SYMBOL_PART_DIM "PAD 35X32 OV" at 13998,14462 h25
R23: PIN_NUMBER "2" at 14042,14345 h20 r270; PIN_NUMBER "1" at 14042,14305 h20 r270; ASSEMBLY_BOTTOM "USERPART#" at 13900,14325 h25 r270; ASSEMBLY_BOTTOM "TOLERANCE" at 13950,14325 h25 r270; ASSEMBLY_BOTTOM "360" at 14050,14325 h25 r270; SYMBOL_PART_DIM "0" at 14037,14233 h25 r270; SYMBOL_PART_DIM "0" at 13966,14317 h25 r270; SYMBOL_PART_DIM "C402-35X32" at 13912,14202 h25 r270; SYMBOL_PART_DIM "PAD 35X32 OV" at 13862,14202 h25 r270
R24: PIN_NUMBER "2" at 12592,12670 h20 r270; PIN_NUMBER "1" at 12592,12630 h20 r270; ASSEMBLY_BOTTOM "USERPART#" at 12450,12650 h25 r270; ASSEMBLY_BOTTOM "TOLERANCE" at 12500,12650 h25 r270; ASSEMBLY_BOTTOM "20K" at 12600,12650 h25 r270; SYMBOL_PART_DIM "0" at 12587,12558 h25 r270; SYMBOL_PART_DIM "0" at 12516,12642 h25 r270; SYMBOL_PART_DIM "C402-35X32" at 12462,12527 h25 r270; SYMBOL_PART_DIM "PAD 35X32 OV" at 12412,12527 h25 r270
R25: PIN_NUMBER "2" at 12442,12670 h20 r270; PIN_NUMBER "1" at 12442,12630 h20 r270; ASSEMBLY_BOTTOM "USERPART#" at 12300,12650 h25 r270; ASSEMBLY_BOTTOM "TOLERANCE" at 12350,12650 h25 r270; ASSEMBLY_BOTTOM "20K" at 12450,12650 h25 r270; SYMBOL_PART_DIM "0" at 12437,12558 h25 r270; SYMBOL_PART_DIM "0" at 12366,12642 h25 r270; SYMBOL_PART_DIM "C402-35X32" at 12312,12527 h25 r270; SYMBOL_PART_DIM "PAD 35X32 OV" at 12262,12527 h25 r270
R26: PIN_NUMBER "2" at 12492,12670 h20 r270; PIN_NUMBER "1" at 12492,12630 h20 r270; ASSEMBLY_BOTTOM "USERPART#" at 12350,12650 h25 r270; ASSEMBLY_BOTTOM "TOLERANCE" at 12400,12650 h25 r270; ASSEMBLY_BOTTOM "20K" at 12500,12650 h25 r270; SYMBOL_PART_DIM "0" at 12487,12558 h25 r270; SYMBOL_PART_DIM "0" at 12416,12642 h25 r270; SYMBOL_PART_DIM "C402-35X32" at 12362,12527 h25 r270; SYMBOL_PART_DIM "PAD 35X32 OV" at 12312,12527 h25 r270
R27: PIN_NUMBER "2" at 12592,12770 h20 r270; PIN_NUMBER "1" at 12592,12730 h20 r270; ASSEMBLY_BOTTOM "USERPART#" at 12450,12750 h25 r270; ASSEMBLY_BOTTOM "TOLERANCE" at 12500,12750 h25 r270; ASSEMBLY_BOTTOM "22" at 12600,12750 h25 r270; SYMBOL_PART_DIM "0" at 12587,12658 h25 r270; SYMBOL_PART_DIM "0" at 12516,12742 h25 r270; SYMBOL_PART_DIM "C402-35X32" at 12462,12627 h25 r270; SYMBOL_PART_DIM "PAD 35X32 OV" at 12412,12627 h25 r270
R28: PIN_NUMBER "2" at 12597,12600 h20 r270; PIN_NUMBER "1" at 12597,12640 h20 r270; ASSEMBLY_TOP "USERPART#" at 12455,12620 h25 r270; ASSEMBLY_TOP "TOLERANCE" at 12505,12620 h25 r270; ASSEMBLY_TOP "NO-POP" at 12605,12620 h25 r270; SYMBOL_PART_DIM "0" at 12592,12712 h25 r270; SYMBOL_PART_DIM "0" at 12521,12628 h25 r270; SYMBOL_PART_DIM "C402-35X32" at 12467,12743 h25 r270; SYMBOL_PART_DIM "PAD 35X32 OV" at 12417,12743 h25 r270
R29: PIN_NUMBER "2" at 12617,13570 h20 r270; PIN_NUMBER "1" at 12617,13530 h20 r270; ASSEMBLY_BOTTOM "USERPART#" at 12475,13550 h25 r270; ASSEMBLY_BOTTOM "TOLERANCE" at 12525,13550 h25 r270; ASSEMBLY_BOTTOM "22" at 12625,13550 h25 r270; SYMBOL_PART_DIM "0" at 12612,13458 h25 r270; SYMBOL_PART_DIM "0" at 12541,13542 h25 r270; SYMBOL_PART_DIM "C402-35X32" at 12487,13427 h25 r270; SYMBOL_PART_DIM "PAD 35X32 OV" at 12437,13427 h25 r270
R30: PIN_NUMBER "1" at 12667,13530 h20 r270; PIN_NUMBER "2" at 12667,13570 h20 r270; ASSEMBLY_BOTTOM "USERPART#" at 12525,13550 h25 r270; ASSEMBLY_BOTTOM "TOLERANCE" at 12575,13550 h25 r270; ASSEMBLY_BOTTOM "22" at 12675,13550 h25 r270; SYMBOL_PART_DIM "0" at 12662,13458 h25 r270; SYMBOL_PART_DIM "0" at 12591,13542 h25 r270; SYMBOL_PART_DIM "C402-35X32" at 12537,13427 h25 r270; SYMBOL_PART_DIM "PAD 35X32 OV" at 12487,13427 h25 r270
R31: PIN_NUMBER "1" at 12442,12770 h20 r90; PIN_NUMBER "2" at 12442,12730 h20 r90; ASSEMBLY_BOTTOM "USERPART#" at 12600,12750 h25 r90; ASSEMBLY_BOTTOM "TOLERANCE" at 12550,12750 h25 r90; ASSEMBLY_BOTTOM "22" at 12450,12750 h25 r90; SYMBOL_PART_DIM "0" at 12463,12842 h25 r90; SYMBOL_PART_DIM "0" at 12534,12758 h25 r90; SYMBOL_PART_DIM "C402-35X32" at 12588,12873 h25 r90; SYMBOL_PART_DIM "PAD 35X32 OV" at 12638,12873 h25 r90
R32: PIN_NUMBER "2" at 12492,12730 h20 r90; PIN_NUMBER "1" at 12492,12770 h20 r90; ASSEMBLY_BOTTOM "USERPART#" at 12650,12750 h25 r90; ASSEMBLY_BOTTOM "TOLERANCE" at 12600,12750 h25 r90; ASSEMBLY_BOTTOM "22" at 12500,12750 h25 r90; SYMBOL_PART_DIM "0" at 12513,12842 h25 r90; SYMBOL_PART_DIM "0" at 12584,12758 h25 r90; SYMBOL_PART_DIM "C402-35X32" at 12638,12873 h25 r90; SYMBOL_PART_DIM "PAD 35X32 OV" at 12688,12873 h25 r90
R33: PIN_NUMBER "1" at 12442,12600 h20 r90; PIN_NUMBER "2" at 12442,12640 h20 r90; ASSEMBLY_TOP "USERPART#" at 12600,12620 h25 r90; ASSEMBLY_TOP "TOLERANCE" at 12550,12620 h25 r90; ASSEMBLY_TOP "NO-POP" at 12450,12620 h25 r90; SYMBOL_PART_DIM "0" at 12463,12528 h25 r90; SYMBOL_PART_DIM "0" at 12534,12612 h25 r90; SYMBOL_PART_DIM "C402-35X32" at 12588,12497 h25 r90; SYMBOL_PART_DIM "PAD 35X32 OV" at 12638,12497 h25 r90
R34: PIN_NUMBER "1" at 12492,12600 h20 r90; PIN_NUMBER "2" at 12492,12640 h20 r90; ASSEMBLY_TOP "USERPART#" at 12650,12620 h25 r90; ASSEMBLY_TOP "TOLERANCE" at 12600,12620 h25 r90; ASSEMBLY_TOP "NO-POP" at 12500,12620 h25 r90; SYMBOL_PART_DIM "0" at 12513,12528 h25 r90; SYMBOL_PART_DIM "0" at 12584,12612 h25 r90; SYMBOL_PART_DIM "C402-35X32" at 12638,12497 h25 r90; SYMBOL_PART_DIM "PAD 35X32 OV" at 12688,12497 h25 r90
R35: PIN_NUMBER "2" at 10862,12555 h20; PIN_NUMBER "1" at 10902,12555 h20; ASSEMBLY_BOTTOM "USERPART#" at 10890,12405 h25; ASSEMBLY_BOTTOM "TOLERANCE" at 10890,12455 h25; ASSEMBLY_BOTTOM "20K" at 10890,12555 h25; SYMBOL_PART_DIM "0" at 10982,12542 h25; SYMBOL_PART_DIM "0" at 10898,12471 h25; SYMBOL_PART_DIM "C402-35X32" at 11013,12417 h25; SYMBOL_PART_DIM "PAD 35X32 OV" at 11013,12367 h25
R36: PIN_NUMBER "2" at 10902,12595 h20 r180; PIN_NUMBER "1" at 10862,12595 h20 r180; ASSEMBLY_BOTTOM "USERPART#" at 10890,12745 h25 r180; ASSEMBLY_BOTTOM "TOLERANCE" at 10890,12695 h25 r180; ASSEMBLY_BOTTOM "NO-POP" at 10890,12595 h25 r180; SYMBOL_PART_DIM "0" at 10798,12608 h25 r180; SYMBOL_PART_DIM "0" at 10882,12679 h25 r180; SYMBOL_PART_DIM "C402-35X32" at 10767,12733 h25 r180; SYMBOL_PART_DIM "PAD 35X32 OV" at 10767,12783 h25 r180
R37: PIN_NUMBER "2" at 10832,12325 h20; PIN_NUMBER "1" at 10872,12325 h20; ASSEMBLY_BOTTOM "USERPART#" at 10860,12175 h25; ASSEMBLY_BOTTOM "TOLERANCE" at 10860,12225 h25; ASSEMBLY_BOTTOM "20K" at 10860,12325 h25; SYMBOL_PART_DIM "0" at 10952,12312 h25; SYMBOL_PART_DIM "0" at 10868,12241 h25; SYMBOL_PART_DIM "C402-35X32" at 10983,12187 h25; SYMBOL_PART_DIM "PAD 35X32 OV" at 10983,12137 h25
R38: PIN_NUMBER "2" at 10872,12365 h20 r180; PIN_NUMBER "1" at 10832,12365 h20 r180; ASSEMBLY_BOTTOM "USERPART#" at 10860,12515 h25 r180; ASSEMBLY_BOTTOM "TOLERANCE" at 10860,12465 h25 r180; ASSEMBLY_BOTTOM "NO-POP" at 10860,12365 h25 r180; SYMBOL_PART_DIM "0" at 10768,12378 h25 r180; SYMBOL_PART_DIM "0" at 10852,12449 h25 r180; SYMBOL_PART_DIM "C402-35X32" at 10737,12503 h25 r180; SYMBOL_PART_DIM "PAD 35X32 OV" at 10737,12553 h25 r180
R39: PIN_NUMBER "2" at 12542,12770 h20 r270; PIN_NUMBER "1" at 12542,12730 h20 r270; ASSEMBLY_BOTTOM "USERPART#" at 12400,12750 h25 r270; ASSEMBLY_BOTTOM "TOLERANCE" at 12450,12750 h25 r270; ASSEMBLY_BOTTOM "22" at 12550,12750 h25 r270; SYMBOL_PART_DIM "0" at 12537,12658 h25 r270; SYMBOL_PART_DIM "0" at 12466,12742 h25 r270; SYMBOL_PART_DIM "C402-35X32" at 12412,12627 h25 r270; SYMBOL_PART_DIM "PAD 35X32 OV" at 12362,12627 h25 r270
R40: PIN_NUMBER "2" at 12292,11930 h20 r90; PIN_NUMBER "1" at 12292,11970 h20 r90; ASSEMBLY_BOTTOM "USERPART#" at 12450,11950 h25 r90; ASSEMBLY_BOTTOM "TOLERANCE" at 12400,11950 h25 r90; ASSEMBLY_BOTTOM "2.2K" at 12300,11950 h25 r90; SYMBOL_PART_DIM "0" at 12313,12042 h25 r90; SYMBOL_PART_DIM "0" at 12384,11958 h25 r90; SYMBOL_PART_DIM "C402-35X32" at 12438,12073 h25 r90; SYMBOL_PART_DIM "PAD 35X32 OV" at 12488,12073 h25 r90
R41: PIN_NUMBER "2" at 12342,11930 h20 r90; PIN_NUMBER "1" at 12342,11970 h20 r90; ASSEMBLY_BOTTOM "USERPART#" at 12500,11950 h25 r90; ASSEMBLY_BOTTOM "TOLERANCE" at 12450,11950 h25 r90; ASSEMBLY_BOTTOM "2.2K" at 12350,11950 h25 r90; SYMBOL_PART_DIM "0" at 12363,12042 h25 r90; SYMBOL_PART_DIM "0" at 12434,11958 h25 r90; SYMBOL_PART_DIM "C402-35X32" at 12488,12073 h25 r90; SYMBOL_PART_DIM "PAD 35X32 OV" at 12538,12073 h25 r90
R42: PIN_NUMBER "2" at 12192,11930 h20 r90; PIN_NUMBER "1" at 12192,11970 h20 r90; ASSEMBLY_BOTTOM "USERPART#" at 12350,11950 h25 r90; ASSEMBLY_BOTTOM "TOLERANCE" at 12300,11950 h25 r90; ASSEMBLY_BOTTOM "2.2K" at 12200,11950 h25 r90; SYMBOL_PART_DIM "0" at 12213,12042 h25 r90; SYMBOL_PART_DIM "0" at 12284,11958 h25 r90; SYMBOL_PART_DIM "C402-35X32" at 12338,12073 h25 r90; SYMBOL_PART_DIM "PAD 35X32 OV" at 12388,12073 h25 r90
R43: PIN_NUMBER "2" at 12242,11930 h20 r90; PIN_NUMBER "1" at 12242,11970 h20 r90; ASSEMBLY_BOTTOM "USERPART#" at 12400,11950 h25 r90; ASSEMBLY_BOTTOM "TOLERANCE" at 12350,11950 h25 r90; ASSEMBLY_BOTTOM "2.2K" at 12250,11950 h25 r90; SYMBOL_PART_DIM "0" at 12263,12042 h25 r90; SYMBOL_PART_DIM "0" at 12334,11958 h25 r90; SYMBOL_PART_DIM "C402-35X32" at 12388,12073 h25 r90; SYMBOL_PART_DIM "PAD 35X32 OV" at 12438,12073 h25 r90
R44: PIN_NUMBER "2" at 10792,13530 h20 r90; PIN_NUMBER "1" at 10792,13570 h20 r90; ASSEMBLY_BOTTOM "USERPART#" at 10950,13550 h25 r90; ASSEMBLY_BOTTOM "TOLERANCE" at 10900,13550 h25 r90; ASSEMBLY_BOTTOM "360" at 10800,13550 h25 r90; SYMBOL_PART_DIM "0" at 10813,13642 h25 r90; SYMBOL_PART_DIM "0" at 10884,13558 h25 r90; SYMBOL_PART_DIM "C402-35X32" at 10938,13673 h25 r90; SYMBOL_PART_DIM "PAD 35X32 OV" at 10988,13673 h25 r90
R45: PIN_NUMBER "2" at 12342,12180 h20 r90; PIN_NUMBER "1" at 12342,12220 h20 r90; ASSEMBLY_BOTTOM "USERPART#" at 12500,12200 h25 r90; ASSEMBLY_BOTTOM "TOLERANCE" at 12450,12200 h25 r90; ASSEMBLY_BOTTOM "360" at 12350,12200 h25 r90; SYMBOL_PART_DIM "0" at 12363,12292 h25 r90; SYMBOL_PART_DIM "0" at 12434,12208 h25 r90; SYMBOL_PART_DIM "C402-35X32" at 12488,12323 h25 r90; SYMBOL_PART_DIM "PAD 35X32 OV" at 12538,12323 h25 r90
R46: PIN_NUMBER "2" at 10617,13320 h20 r270; PIN_NUMBER "1" at 10617,13280 h20 r270; ASSEMBLY_BOTTOM "USERPART#" at 10475,13300 h25 r270; ASSEMBLY_BOTTOM "TOLERANCE" at 10525,13300 h25 r270; ASSEMBLY_BOTTOM "2K" at 10625,13300 h25 r270; SYMBOL_PART_DIM "0" at 10612,13208 h25 r270; SYMBOL_PART_DIM "0" at 10541,13292 h25 r270; SYMBOL_PART_DIM "C402-35X32" at 10487,13177 h25 r270; SYMBOL_PART_DIM "PAD 35X32 OV" at 10437,13177 h25 r270
R47: PIN_NUMBER "2" at 12142,11970 h20 r270; PIN_NUMBER "1" at 12142,11930 h20 r270; ASSEMBLY_BOTTOM "USERPART#" at 12000,11950 h25 r270; ASSEMBLY_BOTTOM "TOLERANCE" at 12050,11950 h25 r270; ASSEMBLY_BOTTOM "2K" at 12150,11950 h25 r270; SYMBOL_PART_DIM "0" at 12137,11858 h25 r270; SYMBOL_PART_DIM "0" at 12066,11942 h25 r270; SYMBOL_PART_DIM "C402-35X32" at 12012,11827 h25 r270; SYMBOL_PART_DIM "PAD 35X32 OV" at 11962,11827 h25 r270
R48: PIN_NUMBER "2" at 10742,12630 h20 r90; PIN_NUMBER "1" at 10742,12670 h20 r90; ASSEMBLY_BOTTOM "USERPART#" at 10900,12650 h25 r90; ASSEMBLY_BOTTOM "TOLERANCE" at 10850,12650 h25 r90; ASSEMBLY_BOTTOM "360" at 10750,12650 h25 r90; SYMBOL_PART_DIM "0" at 10763,12742 h25 r90; SYMBOL_PART_DIM "0" at 10834,12658 h25 r90; SYMBOL_PART_DIM "C402-35X32" at 10888,12773 h25 r90; SYMBOL_PART_DIM "PAD 35X32 OV" at 10938,12773 h25 r90
R49: PIN_NUMBER "2" at 10617,12420 h20 r270; PIN_NUMBER "1" at 10617,12380 h20 r270; ASSEMBLY_BOTTOM "USERPART#" at 10475,12400 h25 r270; ASSEMBLY_BOTTOM "TOLERANCE" at 10525,12400 h25 r270; ASSEMBLY_BOTTOM "2K" at 10625,12400 h25 r270; SYMBOL_PART_DIM "0" at 10612,12308 h25 r270; SYMBOL_PART_DIM "0" at 10541,12392 h25 r270; SYMBOL_PART_DIM "C402-35X32" at 10487,12277 h25 r270; SYMBOL_PART_DIM "PAD 35X32 OV" at 10437,12277 h25 r270
R50: PIN_NUMBER "2" at 10642,12870 h20 r270; PIN_NUMBER "1" at 10642,12830 h20 r270; ASSEMBLY_BOTTOM "USERPART#" at 10500,12850 h25 r270; ASSEMBLY_BOTTOM "TOLERANCE" at 10550,12850 h25 r270; ASSEMBLY_BOTTOM "2K" at 10650,12850 h25 r270; SYMBOL_PART_DIM "0" at 10637,12758 h25 r270; SYMBOL_PART_DIM "0" at 10566,12842 h25 r270; SYMBOL_PART_DIM "C402-35X32" at 10512,12727 h25 r270; SYMBOL_PART_DIM "PAD 35X32 OV" at 10462,12727 h25 r270
R51: PIN_NUMBER "2" at 10692,13080 h20 r90; PIN_NUMBER "1" at 10692,13120 h20 r90; ASSEMBLY_BOTTOM "USERPART#" at 10850,13100 h25 r90; ASSEMBLY_BOTTOM "TOLERANCE" at 10800,13100 h25 r90; ASSEMBLY_BOTTOM "2K" at 10700,13100 h25 r90; SYMBOL_PART_DIM "0" at 10713,13192 h25 r90; SYMBOL_PART_DIM "0" at 10784,13108 h25 r90; SYMBOL_PART_DIM "C402-35X32" at 10838,13223 h25 r90; SYMBOL_PART_DIM "PAD 35X32 OV" at 10888,13223 h25 r90
R52: PIN_NUMBER "2" at 10512,14800 h20 r180; PIN_NUMBER "1" at 10472,14800 h20 r180; ASSEMBLY_BOTTOM "USERPART#" at 10500,14950 h25 r180; ASSEMBLY_BOTTOM "TOLERANCE" at 10500,14900 h25 r180; ASSEMBLY_BOTTOM "100K" at 10500,14800 h25 r180; SYMBOL_PART_DIM "0" at 10408,14813 h25 r180; SYMBOL_PART_DIM "0" at 10492,14884 h25 r180; SYMBOL_PART_DIM "C402-35X32" at 10377,14938 h25 r180; SYMBOL_PART_DIM "PAD 35X32 OV" at 10377,14988 h25 r180
R53: PIN_NUMBER "1" at 10382,14810 h20 r270; PIN_NUMBER "2" at 10382,14850 h20 r270; ASSEMBLY_BOTTOM "USERPART#" at 10240,14830 h25 r270; ASSEMBLY_BOTTOM "TOLERANCE" at 10290,14830 h25 r270; ASSEMBLY_BOTTOM "10K" at 10390,14830 h25 r270; SYMBOL_PART_DIM "0" at 10377,14738 h25 r270; SYMBOL_PART_DIM "0" at 10306,14822 h25 r270; SYMBOL_PART_DIM "C402-35X32" at 10252,14707 h25 r270; SYMBOL_PART_DIM "PAD 35X32 OV" at 10202,14707 h25 r270
R54: PIN_NUMBER "2" at 10392,14505 h20 r90; PIN_NUMBER "1" at 10392,14545 h20 r90; ASSEMBLY_BOTTOM "USERPART#" at 10550,14525 h25 r90; ASSEMBLY_BOTTOM "TOLERANCE" at 10500,14525 h25 r90; ASSEMBLY_BOTTOM "NO-POP" at 10400,14525 h25 r90; SYMBOL_PART_DIM "0" at 10413,14617 h25 r90; SYMBOL_PART_DIM "0" at 10484,14533 h25 r90; SYMBOL_PART_DIM "C402-35X32" at 10538,14648 h25 r90; SYMBOL_PART_DIM "PAD 35X32 OV" at 10588,14648 h25 r90
R55: PIN_NUMBER "1" at 11819,13465 h40 r90; PIN_NUMBER "2" at 11819,13585 h40 r90; ASSEMBLY_TOP "X" at 11830,13550 h40 r90; ASSEMBLY_TOP "X" at 11835,13520 h40 r90; ASSEMBLY_TOP "0.02" at 11835,13480 h40 r90; SYMB_DIM "0" at 11840,13350 h40 r90; SYMB_DIM "0" at 11965,13500 h40 r90; SYMB_DIM "R1206-40X70" at 11439,13525 h40 r90; SYMB_DIM "SP  40X70OV" at 11764,13950 h40 r90; SYMB_DIM "SM  48X78OV" at 11684,13950 h40 r90; SYMB_DIM "PAD 40X70OV" at 11614,13950 h40 r90
R56: PIN_NUMBER "2" at 10317,14545 h20 r270; PIN_NUMBER "1" at 10317,14505 h20 r270; ASSEMBLY_BOTTOM "USERPART#" at 10175,14525 h25 r270; ASSEMBLY_BOTTOM "TOLERANCE" at 10225,14525 h25 r270; ASSEMBLY_BOTTOM "10K" at 10325,14525 h25 r270; SYMBOL_PART_DIM "0" at 10312,14433 h25 r270; SYMBOL_PART_DIM "0" at 10241,14517 h25 r270; SYMBOL_PART_DIM "C402-35X32" at 10187,14402 h25 r270; SYMBOL_PART_DIM "PAD 35X32 OV" at 10137,14402 h25 r270
R57: PIN_NUMBER "1" at 12664,13905 h40 r90; PIN_NUMBER "2" at 12664,14025 h40 r90; ASSEMBLY_TOP "X" at 12675,13990 h40 r90; ASSEMBLY_TOP "X" at 12680,13960 h40 r90; ASSEMBLY_TOP "0.02" at 12680,13920 h40 r90; SYMB_DIM "0" at 12685,13790 h40 r90; SYMB_DIM "0" at 12810,13940 h40 r90; SYMB_DIM "R1206-40X70" at 12284,13965 h40 r90; SYMB_DIM "SP  40X70OV" at 12609,14390 h40 r90; SYMB_DIM "SM  48X78OV" at 12529,14390 h40 r90; SYMB_DIM "PAD 40X70OV" at 12459,14390 h40 r90
R58: PIN_NUMBER "2" at 10477,15430 h20; PIN_NUMBER "1" at 10517,15430 h20; ASSEMBLY_BOTTOM "USERPART#" at 10505,15280 h25; ASSEMBLY_BOTTOM "TOLERANCE" at 10505,15330 h25; ASSEMBLY_BOTTOM "NO-POP" at 10505,15430 h25; SYMBOL_PART_DIM "0" at 10597,15417 h25; SYMBOL_PART_DIM "0" at 10513,15346 h25; SYMBOL_PART_DIM "C402-35X32" at 10628,15292 h25; SYMBOL_PART_DIM "PAD 35X32 OV" at 10628,15242 h25